# Altium PCB Layout.PcbDoc (part 2 of 2) (continued)
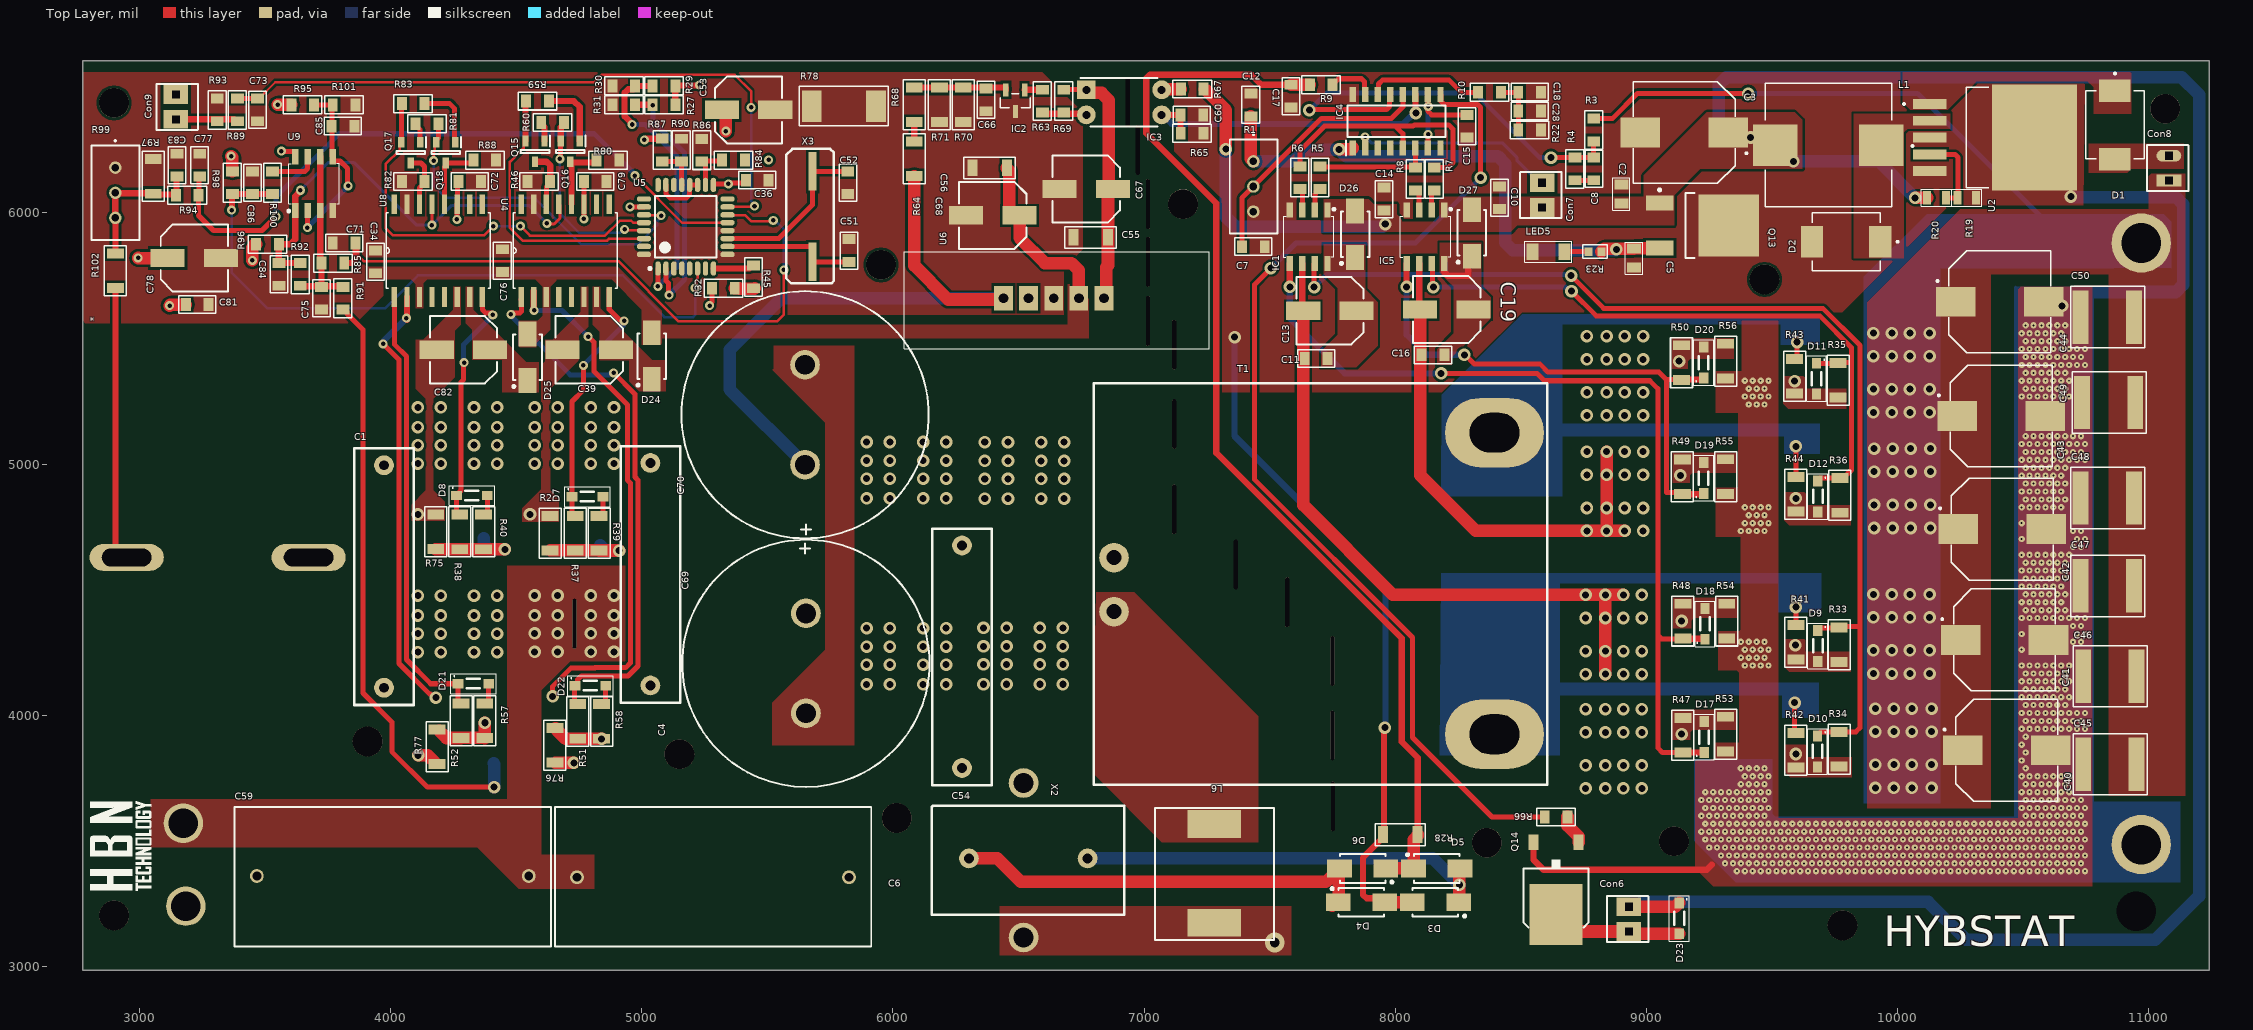
[diagram p0: Top Layer view]
## Nets (pads, with @x,y where several pads share a name; then routed paths per layer and width w, separated by ;. In a path a pad name is that pad's centre, name@x,y a point inside that pad or via, vN(x,y) a via of type N, cw(c..) or ccw(c..) an arc to the next point about the centre after c; other vN are vias at no path point) (continued)
NetC85_2: C85.2 R95.1 R101.2 U9.2 U9.5 | length 743.6
  Top Layer w20: v3(3668.82,5941.54) 3669.41,5942.13 3669.41,6009.41 U9.2@3670,6010 ; R95.1@3695.28,6430 R101.2@3769.72,6430 3767.36,6427.64 3767.36,6347.36 C85.2@3765,6345 3767.5,6342.5 3767.5,6226.04 U9.5@3770,6223.54 3772.8,6220.75 3772.8,6206.78 3798.48,6206.78 3828.18,6177.08 3828.18,6110.47 v3(3831.24,6107.41)
  Bottom Layer w20: v3(3668.82,5941.54) 3668.82,5943.26 3831.24,6105.68 v3(3831.24,6107.41)
NetCon6_1: Con6.1 D23.a Q14.4 | length 521.7
  Top Layer w50: Q14.4@8640,3206.57 8707.55,3139.02 Con6.1@8930,3139.02 8939.02,3130 D23.a@9130,3130
NetCon9_2: Con9.2 R89.1 R93.1 | length 248.2
  Top Layer w25: Con9.2@3145,6372.56 3376.26,6372.56 3384.09,6364.72 R89.1@3390,6364.72
NetD1_C: D1.C U2.1
NetD2_C: D2.C L1.1 U2.2
NetD3_k: D3.k D5.a X2.1 | length 1657.2
  Top Layer w50: D3.k@8254.83,3255 8255.02,3255.19 v2(8255,3325) ; v2@8254.83,3325.17 8254.83,3385 D5.a@8257.52,3387.69
  Bottom Layer w50: X2.1@6775,3430 8150,3430 v2(8255,3325)
NetD4_k: D4.k D6.a X2.2 | length 1704.7
  Top Layer w50: X2.2@6302.56,3430 6415.67,3430 6508.99,3336.68 7723.98,3336.68 7753.27,3365.97 7753.27,3379.57 7763.7,3390 D6.a@7777.48,3390 ; D4.k@7748.27,3242.26 7748.27,3244.57 7756.2,3252.5 D4.k@7769.98,3252.5 ; D4.k@7774.79,3255 7774.79,3385 D6.a@7777.48,3387.69
NetD7_a: D7.a R39.1 | length 85.4
  Top Layer w20: R39.1@4830,4793.54 4835.31,4793.54 4845,4803.23 D7.a@4845,4869.65
NetD8_a: D8.a R40.1 | length 85.4
  Top Layer w20: R40.1@4370,4798.54 4375.31,4798.54 4385,4808.23 D8.a@4385,4874.65
NetD9_a: D9.a Q2.1 R33.2 R41.1
  other v2: 9592.95,4279.25
NetD10_a: D10.a Q3.1 R34.2 R42.1
  other v2: 9594.71,3845.71
NetD11_a: D11.a Q4.1 R35.2 R43.1
  other v2: 9590,5330
NetD12_a: D12.a Q5.1 R36.2 R44.1
  other v2: 9594.51,4863.48
NetD13_2: D13.2 D15.1 T1.1
  other v2: 6365.47,4862.44 6457.99,4862.44 6589.88,4862.44 6681.42,4862.44 6365.47,4941.18 6457.99,4941.18 6589.88,4941.18 6681.42,4941.18 6365.47,5013.03 6457.99,5013.03 6589.88,5013.03 6681.42,5013.03 6365.47,5086.85 6457.99,5086.85 6589.88,5086.85 6681.42,5086.85
NetD17_a: D17.a Q8.1 R47.2 R53.1
  other v2: 9140,3925
NetD18_a: D18.a Q9.1 R48.2 R54.1
  other v2: 9140,4375
NetD19_a: D19.a Q10.1 R49.2 R55.1
  other v2: 9135,4955
NetD20_a: D20.a Q11.1 R50.2 R56.1
  other v2: 9130,5410
NetD21_a: D21.a R57.1 | length 88
  Top Layer w20: R57.1@4375.1,4047.19 4380.98,4047.19 4390.67,4056.88 D21.a@4390.67,4125.26
NetD22_a: D22.a R58.1 | length 88
  Top Layer w20: R58.1@4840,4043.9 4845.89,4043.9 4855.57,4053.58 D22.a@4855.57,4121.97
NetIC1_2: IC1.2 R5.1 | length 94.7
  Top Layer w20: IC1.2@7680,6011.77 7680,6074.72 7684.41,6079.13 7684.41,6085.04 7694.09,6094.72 R5.1@7700,6094.72
NetIC1_3: IC1.3 R6.1 | length 87.3
  Top Layer w20: R6.1@7620,6094.72 7620.31,6094.72 7630,6085.04 IC1.3@7630,6011.77
NetIC2_1: IC2.1 R63.1 | length 71.1
  Top Layer w25: IC2.1@6524,6490 6524.14,6490.14 6594.86,6490.14 R63.1@6595,6490.28
NetIC3_2: IC3.2 R63.2 R69.2 | length 179
  Top Layer w25: R63.2@6595,6399.72 6599.86,6394.86 6765.14,6394.86 IC3.2@6770,6390
NetIC3_4: IC3.4 R67.2 | length 77.5
  Top Layer w50: IC3.4@7070,6490 7072.39,6492.39 7145.71,6492.39 R67.2@7146.3,6492.98
NetIC4_5: IC4.5 R6.2 R7.2 | length 1037.4
  Top Layer w20: R6.2@7620,6185.28 7620,6246.46 7718.54,6345 8000,6345 ; IC4.5@8030,6258.23 8030,6315 8000,6345 ; R7.2@8155,6180 8210,6180 8230,6200 8230,6333.28 8212.53,6350.75 8076.05,6350.75 8070.3,6345 8000,6345
NetIC4_6: IC4.6 R5.2 R8.2 | length 460.4
  Top Layer w20: R5.2@7700,6185.28 7702.64,6182.64 8077.36,6182.64 R8.2@8080,6180 IC4.6@8080,6258.23
NetIC4_14: IC4.14 R10.2 | length 448.4
  Top Layer w20: IC4.14@7930,6491.77 IC4.14@7932.78,6491.77 ; IC4.14@7932.8,6491.79 7932.8,6512.8 7949.83,6529.83 8213.04,6529.83 8262.87,6480 R10.2@8329.72,6480
NetIC4_15: IC4.15 R9.2 | length 196.8
  Top Layer w20: R9.2@7750.28,6510 7750.28,6515.91 7759.96,6525.59 7765.87,6525.59 7774.23,6533.95 7865.49,6533.95 7877.2,6522.24 7877.2,6474.57 IC4.15@7880,6471.77
NetIC5_2: IC5.2 R7.1 | length 82
  Top Layer w20: IC5.2@8145,6011.77 8145,6079.76 8154.69,6089.45 R7.1@8155,6089.45
NetIC5_3: IC5.3 R8.1 | length 87
  Top Layer w20: R8.1@8080,6089.45 8085.31,6089.45 8095,6079.76 IC5.3@8095,6011.77
NetL6_1: L6.1 X2.4
  other v4: 7520,3095
NetL6_2: L6.2 T1.2
NetLED5_2: LED5.2 R23.1 | length 90.3
  Top Layer w20: LED5.2@8679.2,5845.36 R23.1@8769.45,5845.36
NetQ1_1: Q1.1 R2.2 R37.2 R39.2 | length 359
  Top Layer w50: R2.2@4635,4656.1 4635.18,4655.93 4735,4655.93 4829.82,4655.93 R39.2@4830,4655.75 4909.42,4655.75 v2(4910,4655.16)
  Bottom Layer w50: Q1.1@4835,4675.83 4855.67,4655.16 v2(4910,4655.16)
NetQ6_1: Q6.1 R38.2 R40.2 R75.1 | length 392.4
  Top Layer w50: R75.1@4180,4661.1 4180.18,4660.93 4369.82,4660.93 R40.2@4370,4660.75 4454.25,4660.75 v2(4455,4660)
  Bottom Layer w50: Q6.1@4370,4704.06 4370,4680.67 4390.67,4660 v2(4455,4660)
NetQ7_1: Q7.1 R51.2 R58.2 R76.2 | length 205.2
  Top Layer w50: R76.2@4655,3948.9 4658.15,3948.9 4663.46,3943.58 4663.46,3939.29 4696.65,3906.1 R51.2@4745,3906.1 v2(4840,3906.1)
NetQ12_1: Q12.1 R52.2 R57.2 R77.1 | length 255.5
  Top Layer w50: R77.1@4193.46,3938.58 4222.65,3909.4 R52.2@4280.1,3909.4 4281.58,3910.88 4373.62,3910.88 R57.2@4375,3909.5 ; v2(4375,3970) R57.2@4375,3909.5 ; R57.2@4375.1,3909.4 R57.2@4375,3909.5
NetQ14_1: Q14.1 R66.2 | length 119.3
  Top Layer w50: R66.2@8685.55,3595 8685.55,3560.95 8729.76,3516.74 Q14.1@8729.76,3493.98
NetQ15_1: Q15.1 R60.2 | length 79.1
  Top Layer w25: R60.2@4599.72,6360 4599.72,6354.09 4612.8,6341.02 Q15.1@4612.8,6286.34
NetQ15_2: Q15.2 R59.2 U5.30 | length 1090
  Top Layer w10: Q15.2@4537.2,6286.34 4529.9,6279.03 4529.9,6257.98 4475,6203.09 4475,5940 4525.73,5889.27 4861.72,5889.27 4868.89,5896.44 5007.34,5896.44 U5.30@5008.66,5897.76
  Top Layer w25: Q15.2@4537.2,6286.34 4537.5,6286.63 4537.5,6442.78 R59.2@4539.72,6445
NetQ15_3: Q15.3 R46.1 U4.14 | length 226.7
  Top Layer w20: U4.14@4620,6035 4620,6103.82 4635.28,6119.09 R46.1@4635.28,6125
  Top Layer w25: Q15.3@4575,6203.66 4620.63,6203.66 4635.28,6189.02 R46.1@4635.28,6125
NetQ16_1: Q16.1 R59.1 | length 267.8
  Top Layer w25: R59.1@4630.28,6445 4730,6445 4752.8,6422.2 Q16.1@4752.8,6286.34
NetQ16_2: Q16.2 R60.1 U5.29 | length 744
  Top Layer w10: v3(4931.91,5934.19) 4934.61,5931.48 5006.43,5931.48 U5.29@5008.66,5929.25
  Top Layer w20: v3(4674.2,6214.54) 4675.7,6216.04 4675.7,6284.84 Q16.2@4677.2,6286.34
  Top Layer w25: Q16.2@4677.2,6286.34 4677.2,6341.02 4690.28,6354.09 R60.1@4690.28,6360
  Bottom Layer w10: v3(4674.2,6214.54) 4674.2,5996.8 4751,5920 4913.05,5920 4927.23,5934.19 v3(4931.91,5934.19)
NetQ16_3: Q16.3 R80.1 U4.12 | length 276.1
  Top Layer w25: Q16.3@4715,6194.8 4720,6189.8 U4.12@4720,6035 ; Q16.3@4715,6203.66 Q16.3@4718.18,6200.48 ; Q16.3@4715.3,6200.48 4812.54,6200.48 4819.72,6207.67 R80.1@4819.72,6210
NetQ17_1: Q17.1 R81.1 | length 81.1
  Top Layer w20: R81.1@4099.72,6355 4099.72,6349.09 4117.8,6331.02 Q17.1@4117.8,6281.34
NetQ17_2: Q17.2 R83.2 U5.28 | length 1622.2
  Top Layer w10: Q17.2@4042.2,6281.34 4036.74,6275.87 4036.74,6251.14 3980,6194.4 3980,5940 4010,5910 4371.38,5910 v3(4408.87,5947.49) ; v3(4516.71,5947.48) 4554.91,5909.27 4853.44,5909.27 4912.9,5968.73 4958.04,5968.73 4965.12,5961.65 5007.76,5961.65 U5.28@5008.66,5960.75
  Top Layer w20: Q17.2@4042.2,6281.34 4043.46,6282.6 4043.46,6433.74 R83.2@4044.72,6435
  Bottom Layer w10: v3(4408.87,5947.49) v3(4516.71,5947.48)
NetQ17_3: Q17.3 R82.1 U8.14 | length 219.2
  Top Layer w20: Q17.3@4080,6198.66 4121.34,6198.66 4135.28,6184.72 R82.1@4135.28,6125 4135.28,6119.09 4115,6098.82 U8.14@4115,6035
NetQ18_1: Q18.1 R83.1 | length 262.8
  Top Layer w20: R83.1@4135.28,6435 4235,6435 4255,6415 4255,6284.13 Q18.1@4257.8,6281.34
NetQ18_2: Q18.2 R81.2 U5.27 | length 1387
  Top Layer w10: v3(4171.47,6207.86) 4171.47,6240.86 4175.3,6244.69 4175.3,6283.29 Q18.2@4182.2,6290.2 ; U5.27@5008.66,5992.24 5010.15,5990.75 5075.9,5990.75 v3(5077.39,5989.26)
  Top Layer w20: Q18.2@4182.2,6290.2 4190.28,6298.27 R81.2@4190.28,6355
  Bottom Layer w10: v3(4171.47,6207.86) 4171.47,6108.53 4220,6060 4573.39,6060 4758.39,5875 4985,5875 5061.46,5951.46 5061.46,5966.29 5077.39,5982.23 v3(5077.39,5989.26)
NetQ18_3: Q18.3 R88.1 U8.12 | length 281.1
  Top Layer w20: U8.12@4215,6035 4215.17,6035.17 4215.17,6184.97 4220,6189.8 Q18.3@4220,6198.66 4320.04,6198.66 4329.72,6208.35 R88.1@4329.72,6210
NetR19_2: R19.2 R20.1 U2.4 | length 324.7
  Top Layer w20: U2.4@10127.68,6233.07 10228.28,6233.07 10240,6221.36 10240,6062.4 R19.2@10237.6,6060 R20.1@10192.4,6060
NetR27_1: R27.1 R31.2 U5.2 | length 1009.3
  Top Layer w20: U5.2@5096.26,5778.66 5096.58,5778.35 5096.58,5729.36 5105.57,5720.37 5105.57,5676.04 v3(5108.63,5672.98)
  Top Layer w25: R31.2@4973.76,6430.55 R27.1@5043.21,6430.55
  Bottom Layer w20: v3@5045,6425 5045,6363.61 5169.83,6238.78 5169.83,5734.17 v3(5108.63,5672.98)
  other v3: 5044.48,6427.57
NetR29_1: R29.1 R30.2 U5.1 | length 1117.1
  Top Layer w20: v3(5064.04,5707.31) 5064.45,5707.72 5064.45,5778.35 U5.1@5064.76,5778.66
  Top Layer w25: v3(4961.94,6351.83) 4961.94,6354.8 4931.58,6385.16 4931.58,6477.81 4946.22,6492.46 4966.58,6492.46 4973.76,6499.64 R30.2@4973.76,6505.55 R29.1@5043.21,6505.55
  Bottom Layer w20: v3(4961.94,6351.83) 5014.36,6351.83 5139.83,6226.36 5139.83,5783.1 v3(5064.04,5707.31)
NetR32_2: R32.2 R45.1 | length 81.1
  Top Layer w50: R32.2@5370.28,5700 5370.87,5699.41 5388.3,5699.41 5389.57,5698.15 5448.42,5698.15 R45.1@5450,5699.72
NetR45_2: R45.2 U5.8 | length 164.6
  Top Layer w25: U5.8@5285.24,5778.66 5427.48,5778.66 5439.09,5790.28 R45.2@5445,5790.28
NetR64_1: R64.1 R68.2 | length 77.2
  Top Layer w25: R64.1@6085,6283.9 R68.2@6085,6361.1
NetR84_2: R84.2 R86.2 U5.18 | length 192.7
  Top Layer w20: U5.18@5253.56,6111.51 5253.56,6194.49 5243.33,6204.72 5235,6204.72 5237.64,6207.36 5317.09,6207.36 R84.2@5319.72,6210
NetR87_2: R87.2 R90.2 U5.21 | length 170.3
  Top Layer w20: R87.2@5081.45,6205.04 5081.67,6204.81 5157.5,6204.81 R90.2@5157.73,6204.59 5158.94,6203.38 5158.94,6111.65 U5.21@5159.25,6111.34
NetR100_2: R100.2 U9.7 | length 191.8
  Top Layer w20: R100.2@3530,6165.28 3530.28,6165 3658.28,6165 3670,6176.72 U9.7@3670,6223.54
NetU5_19: U5.19 U5.20 U5.23 | length 212
  Top Layer w20: U5.23@5096.26,6111.34 5095.94,6111.02 5095.94,6076.72 5112.66,6060 5178.28,6060 5190.43,6072.15 5190.43,6111.02 U5.20@5190.75,6111.34 U5.19@5222.24,6111.34
SD: C84.2 R92.2 R96.1 U4.13 U8.13 U9.1 | length 1838.2
  Top Layer w12: v3(4164.56,5951.07) 4164.78,5951.29 4164.78,6034.78 U8.13@4165,6035 ; v3(4622.13,5958.2) 4624.87,5955.46 4651.1,5955.46 4674.5,5978.86 4674.5,6030.5 U4.13@4670,6035
  Top Layer w25: R92.2@3640,5800.28 C84.2@3555,5800.28 3555.14,5800.41 3555.14,5874.86 R96.1@3555.28,5875 3600.36,5875 3620,5894.64 U9.1@3620,6010 3620.3,6010.3 3620.3,6066.23 3641.2,6087.13 v3(3641.2,6090.1)
  Bottom Layer w12: v3(3641.2,6090.1) 3751.09,6200 3855,6200 4103.96,5951.04 v3@4168.48,5951.04 ; v3(4164.56,5951.07) 4243.49,6030 4550.33,6030 v3(4622.13,5958.2)
T1: C11.1 C13.2 IC1.6 Q2.2 Q3.2 Q8.3 Q9.3 R41.2 R42.2 T1.3 | length 2895.8
  Top Layer w20: v2(9590,4050) 9590,3933.9 R42.2@9595,3928.9 ; R41.2@9595,4358.9 v2(9595,4430)
  Top Layer w25: IC1.6@7630,5798.23 7630,5613.7 C13.2@7633.7,5610
  Top Layer w50: C13.2@7633.7,5610 7633.7,4836.3 7990.47,4479.53 v2(8757.44,4479.53) v2(8836.18,4479.53) ; v2(8836.18,4163.58) v2(8836.18,4255.12) v2(8836.18,4387.01) v2(8836.18,4479.53) ; v2(8908.03,4479.53) v2(8836.18,4479.53)
  other v2: 8757.44,3708.58 8836.18,3708.58 8908.03,3708.58 8981.85,3708.58 8757.44,3800.12 8836.18,3800.12 8908.03,3800.12 8981.85,3800.12 8757.44,3932.01 8836.18,3932.01 8908.03,3932.01 8981.85,3932.01 8757.44,4024.53 8836.18,4024.53 8908.03,4024.53 8981.85,4024.53 8757.44,4163.58 8908.03,4163.58 8981.85,4163.58 8757.44,4255.12 8908.03,4255.12 8981.85,4255.12 8757.44,4387.01 8908.03,4387.01 8981.85,4387.01 8981.85,4479.53
T2: C16.1 C19.2 IC5.6 Q4.2 Q5.2 Q10.3 Q11.3 R43.2 R44.2 T1.4 | length 2257.5
  Top Layer w20: R43.2@9590,5418.9 9590.31,5418.9 9600,5428.58 v2(9600,5485) ; R44.2@9595,4948.9 v2(9595,5070)
  Top Layer w25: IC5.6@8095,5798.23 8095,5618.7 C19.2@8098.7,5615
  Top Layer w50: C19.2@8098.7,5615 8098.7,4956.3 8321.42,4733.58 v2(8762.44,4733.58) v2(8841.18,4733.58) ; v2(8841.18,5049.53) v2(8841.18,4957.01) v2(8841.18,4825.12) v2(8841.18,4733.58) ; v2(8913.03,4733.58) v2(8841.18,4733.58)
  other v2: 8986.85,4733.58 8762.44,4825.12 8913.03,4825.12 8986.85,4825.12 8762.44,4957.01 8913.03,4957.01 8986.85,4957.01 8762.44,5049.53 8913.03,5049.53 8986.85,5049.53 8762.44,5193.58 8841.18,5193.58 8913.03,5193.58 8986.85,5193.58 8762.44,5285.12 8841.18,5285.12 8913.03,5285.12 8986.85,5285.12 8762.44,5417.01 8841.18,5417.01 8913.03,5417.01 8986.85,5417.01 8762.44,5509.53 8841.18,5509.53 8913.03,5509.53 8986.85,5509.53
VFB: C60.1 IC3.3 IC4.11 R65.1 | length 1267.1
  Top Layer w25: IC3.3@7070,6390 C60.1@7144.72,6390 7145.19,6389.53 7145.19,6317.74 R65.1@7145.66,6317.27 ; IC4.11@8080,6471.77 8080.3,6471.48 8080.3,6398.97 v2(8081.65,6397.61)
  Bottom Layer w25: IC3.3@7070,6390 7073.8,6390 7109.55,6354.25 8031.53,6354.25 8074.89,6397.61 v2(8081.65,6397.61)
VFBAC: *.1 C6.2 C59.2 pad.12@3185,3240 R102.1 | length 1095.1
  Top Layer w25: R102.1@2905,5701.1 2905,4665.78 2942.56,4628.23 *.1@2949.25,4628.23
VS12: *.2 C82.2 Q6.2 Q12.3 R75.2 U8.6
  other v2: 4108.58,4251.3 4200.12,4251.3 4332.01,4251.3 4424.53,4251.3 4108.58,4325.12 4200.12,4325.12 4332.01,4325.12 4424.53,4325.12 4108.58,4396.97 4200.12,4396.97 4332.01,4396.97 4424.53,4396.97 4108.58,4475.71 4200.12,4475.71 4332.01,4475.71 4424.53,4475.71 4108.3,4800
VS22: C6.1 C39.2 C59.1 pad.5@4732.1,4364.5 pad.12@3175,3570 Q1.2 Q7.3 R2.1 U4.6
  other v2: 4573.58,4252.24 4665.12,4252.24 4797.01,4252.24 4889.53,4252.24 4573.58,4326.06 4665.12,4326.06 4797.01,4326.06 4889.53,4326.06 4573.58,4397.91 4665.12,4397.91 4797.01,4397.91 4889.53,4397.91 4573.58,4476.65 4665.12,4476.65 4797.01,4476.65 4889.53,4476.65 4555,4800
ıfbdc: C17.2 D5.k D6.k R9.1 R28.1 | length 4378.8
  Top Layer w25: C17.2@7585,6510.28 7466.82,6510.28 7427.19,6549.9 7023.04,6549.9 7008.4,6535.26 7008.4,6317.24 7287.54,6038.1 7287.54,5044.38 8025.34,4306.58 8025.34,3894.42 8088.9,3830.87 R28.1@8088.9,3525
  Top Layer w50: C17.2@7585,6510.28 7585.14,6510.14 7659.59,6510.14 R9.1@7659.72,6510 ; D6.k@7965.02,3387.5 7967.52,3390 8067.48,3390 D5.k@8069.98,3387.5 ; D5.k@8073.72,3391.24 8073.72,3504.37 8088.9,3519.54 R28.1@8088.9,3525
pads on no net: IC4.3 IC4.4 IC4.8 U4.4 U4.5 U4.9 U4.10 U4.16 U5.3 U5.4 U5.5 U5.7 U5.16 U5.22 U5.24 U5.25 U5.31 U6.2 U8.4 U8.5 U8.9 U8.10 U8.16

## Polygon pours and split planes (outlines as drawn)
15V2 on Top Layer "15V2_L01_P104" (solid, pour order 104): 4605,5590 4585,5570 4510,5570 4510,5470 4515,5465 4580,5465 4580,5480 4635,5535 4635,5705 4660,5730 4660,5735 4880,5735 5000,5615 5000,5475 5075,5475 5080,5480 5080,5500 6780,5500 6780,5715 6695,5715 6695,5555 5080,5555 5080,5610 4905,5785 3910,5785 3910,5780 3910,5735 4080,5735 4100,5715 4100,5620 4130,5620 4130,5720 4145,5735 4575,5735 4605,5705
NetL6_2 on Top Layer "NETL6_2_L01_P091" (solid, pour order 91): 6810,4490 6960,4490 7455,3995 7455,3495 7070,3495 6805,3760 6805,4315
GND2 on Top Layer "GND2_L01_P114" (solid, pour order 114): 6680,5820 6720,5820 6755,5855 6755,6400 6595,6560 2775,6560 2775,5570 2785,5560 3860,5560 3970,5670 3970,5800 4920,5800 5125,5595 6680,5595
24V_1 on Top Layer "24V_1_L01_P113" (solid, pour order 113): 10760,6275 11140,6275 11140,6175 10930,6175 10915,6160 10760,6160
GND on Top Layer "GND_L01_P112" (solid, pour order 112): 10740,6030 10205,6030 9780,5605 8790.21,5605 8505,5605 8185,5285 7310,5285 7310,6056.3 7120,6246.3 7120,6560 10745,6560
NetD2_C on Top Layer "NETD2_C_L01_P111" (solid, pour order 111): 10210,6395 9825,6395 9825,5820 10025,5820 10025,6320 10040,6335 10210,6335
12v on Top Layer "12V_L01_P110" (solid, pour order 110): 8485.42,5950 9110,5950 9110,6070 9215,6175 9620,6175 9620,6370 9590,6400 9240,6400 8990,6150 8990,6065 8930,6065 8480,6065 8190,6065 8175,6050 8175,5980 8160,5965 8025,5965 8025,5975 8005,5995 8005,6035 7915,6035 7895,6055 7715,6055 7715,5925 8460.42,5925
NetC16_2 on Top Layer "NETC16_2_L01_P109" (solid, pour order 109): 8180,5395 8225,5395 8225,5425 8380,5580 8380,5663.53 8341.82,5701.72 8341.82,5881.72 8176.82,5881.72 8176.82,5761.72 8231.82,5706.72 8231.82,5521.72 8166.82,5456.72 8166.82,5395
NetC11_2 on Top Layer "NETC11_2_L01_P108" (solid, pour order 108): 7715,5875 7880,5875 7880,5695 7930,5645 7930,5470 7845,5385 7705,5385 7705,5450 7770,5515 7770,5700 7715,5755
VS22 on Top Layer "VS22_L01_P103" (solid, pour order 103): 4600,4900 4525,4825 4525,4770 4675,4770 4670,4775 4670,4860 4635,4895 4635,5300 4750,5415 4750,5509.98 4786.13,5546.11 4786.13,5705 4756.13,5705 4756.13,5606.11 4645.02,5495 4615,5495 4615,5410 4600,5395
NetC39_1 on Top Layer "NETC39_1_L01_P102" (solid, pour order 102): 4805.5,5705 4805.5,5554 4832.64,5526.86 4832.64,5414 4950,5414 4950,5290 5095.5,5290 5095.5,5414 5041,5414 4835.5,5619.5 4835.5,5705
NetC82_1 on Top Layer "NETC82_1_L01_P101" (solid, pour order 101): 4300,5705 4300,5560 4325,5535 4325,5415 4445,5415 4445,5285 4590,5285 4590,5405 4540,5405 4440,5505 4330,5615 4330,5705
VS12 on Top Layer "VS12_L01_P100" (solid, pour order 100): 4140,4895 4080,4835 4080,4775 4215,4775 4215,4850 4170,4895 4170,5260 4255,5345 4255,5530 4280,5555 4280,5705 4250,5705 4250,5615 4130,5495 4100,5495 4100,5300 4140,5260
NetD1_C on Top Layer "NETD1_C_L01_P098" (solid, pour order 98): 10930,6395 10930,6565 10925,6560 10020,6560 10020,6440 10050,6410 10200,6410 10315,6525 10755,6525 10780,6500 10780,6395
VS22 on Top Layer "VS22_L01_P095" (solid, pour order 95): 4465,3665 3045,3665 3045,3475 4345,3475 4510,3310 4810,3310 4810,3445 4600,3445 4600,4100 4715,4215 4935,4215 4935,4595 4465,4595 4465,4145
NetL6_1 on Top Layer "NETL6_1_L01_P092" (solid, pour order 92): 7585,3045 6425,3045 6425,3240 7585,3240
GND2 on Top Layer "GND2_L01_P087" (solid, pour order 87): 5525,5470 5845,5470 5845,3880 5520,3880 5520,4050 5730,4260 5730,5165 5520,5375 5525,5380
GND on Top Layer "GND_L01_P081" (solid, pour order 81): 9380,5610 9375,5615 9525,5615 9525,5610 9525,3590 10480,3590 10480,5695 10490,5705 10775,5705 10775,3320 9265.69,3320 9195,3390.69 9195,3635 9195,3820 9200,3825 9270,3825 9270,3885 9275,3890 9370,3890 9370,4170 9360,4180 9285,4180 9285,4335 9370,4335 9375,4340 9375,4710 9275,4710 9275,4905 9360,4905 9365,4910 9365,5205 9275,5205 9275,5370 9380,5370 9380,5565
NetD10_a on Top Layer "NETD10_A_L01_P025" (solid, pour order 25): 9817.69,3832.65 9637.69,3832.65 9637.69,3877.65 9632.69,3882.65 9552.69,3882.65 9552.69,3772.65 9572.69,3752.65 9817.69,3752.65
NetD9_a on Top Layer "NETD9_A_L01_P024" (solid, pour order 24): 9812.69,4252.65 9632.69,4252.65 9632.69,4297.65 9627.69,4302.65 9547.69,4302.65 9547.69,4192.65 9567.69,4172.65 9812.69,4172.65
NetD17_a on Top Layer "NETD17_A_L01_P023" (solid, pour order 23): 9173.47,3902.07 9173.47,3932.07 9183.47,3942.07 9355.97,3942.07 9355.97,4022.07 9100.97,4022.07 9100.97,3902.07
NetD18_a on Top Layer "NETD18_A_L01_P022" (solid, pour order 22): 9178.47,4347.07 9178.47,4377.07 9188.47,4387.07 9360.97,4387.07 9360.97,4467.07 9105.97,4467.07 9105.97,4347.07
NetD12_a on Top Layer "NETD12_A_L01_P021" (solid, pour order 21): 9813.96,4836.91 9633.96,4836.91 9633.96,4881.91 9628.96,4886.91 9548.96,4886.91 9548.96,4776.91 9568.96,4756.91 9813.96,4756.91
NetD11_a on Top Layer "NETD11_A_L01_P020" (solid, pour order 20): 9810,5300 9630,5300 9630,5345 9625,5350 9545,5350 9545,5240 9565,5220 9810,5220
NetD19_a on Top Layer "NETD19_A_L01_P016" (solid, pour order 16): 9172.78,4924.61 9172.78,4954.61 9182.78,4964.61 9355.28,4964.61 9355.28,5044.61 9105,5044.61 9105,4924.61
NetD20_a on Top Layer "NETD20_A_L01_P015" (solid, pour order 15): 9165,5380 9165,5410 9175,5420 9347.5,5420 9347.5,5500 9100,5500 9100,5380
24V on Top Layer "24V_L01_P000" (solid, pour order 0): 11000,6015 11000,6145 11010,6155 11145,6155 11145,5900 11145,3680 10840,3680 10840,5755 10370,5755 10370,3630 9880,3630 9880,5645 10000,5765 10250,6015
NetL6_2 on Bottom Layer "NETL6_2_L02_P116" (solid, pour order 116): 6800,4490 7015,4490 7015,4250 7010,4245 6805,4245
5V2 on Bottom Layer "5V2_L02_P115" (solid, pour order 115): 6890,6455 6782.5,6562.5 2776.43,6562.5 2776.43,5572.5 2786.43,5562.5 3861.43,5562.5 3971.43,5672.5 3971.43,5822.5 4872.5,5822.5 5097.5,5597.5 6890,5597.5
VS22 on Bottom Layer "VS22_L02_P105" (solid, pour order 105): 4520,4205 4520,4825 4695,4825 4695,4600 4955,4600 4960,4595 4955,4590 4955,4205 4515,4205
NetL6_1 on Bottom Layer "NETL6_1_L02_P097" (solid, pour order 97): 6440,3230 7479.68,3230 7570,3139.68 7570,3040 6460,3040 6440,3060
VFBAC on Bottom Layer "VFBAC_L02_P096" (solid, pour order 96): 3375,3355 3370,3360 3045,3360 3045,3115 5910.25,3115 5910.25,3409.75 5885,3435 5765,3435 5630,3300 3750,3300 3750,4109.15 3079.15,4780 2785,4780 2785,4550 3375,3960
VS12 on Bottom Layer "VS12_L02_P094" (solid, pour order 94): 4495,4595 4490,4600 4260,4600 4260,4830 3465,4830 3465,4545 3555,4455 3985,4455 4045,4395 4045,4205 4480,4205 4490,4215
no net on Bottom Layer "NONET_L02_P093" (solid, pour order 93): 4960,4595 4700,4595 4695,4600
IFBCOM on Bottom Layer "IFBCOM_L02_P090" (solid, pour order 90): 4215,3760 4215,3865 4550,3865 4550,4105 4720,4105 4720,3865 4930,3865 4930,4135 4965,4170 5075,4170 5075,3760
IFBCOM on Bottom Layer "IFBCOM_L02_P089" (solid, pour order 89): 3925,3975 4140,3760 4250,3760 4255,4040 4135,4160 3925,4160
GND2 on Bottom Layer "GND2_L02_P088" (solid, pour order 88): 4324.93,3626.15 5336.15,3626.15 5520,3810 5520,4000 5600,4080 5700,4080 5765,4015 5765,3675 5575,3485 4325.82,3485
NetC54_1 on Bottom Layer "NETC54_1_L02_P086" (solid, pour order 86): 6185,3850 6645,3850 6645,3625 6190,3625 6185,3630
GND2 on Bottom Layer "GND2_L02_P085" (solid, pour order 85): 6595,5580 6595,5720 6685,5720 6685,5295 6510,5295 6510,5475 6500,5485 6255,5485 6255,5305 6220,5270 6085,5270 6085,5465 6055,5495 5775,5495 5775,5310 5740,5275 5605,5275 5525,5355 5525,5485 5620,5580
NetC54_2 on Bottom Layer "NETC54_2_L02_P084" (solid, pour order 84): 6015,5470 6015,5240 6115,5140 6270,5140 6270,4740 6315,4695 6315,4550 6095,4550 6095,4715 6060,4750 5825,4750 5825,5470
400V on Bottom Layer "400V_L02_P083" (solid, pour order 83): 6360,4405 6360,4725 6465,4725 6465,4405 6755,4405 6755,3985 6753.09,3983.09 5790.3,3983.09 5790.3,4109.7 5550,4350 5550,4680 5295,4935 3940,4935 3940,5150 4005,5215 4005,5330 5515,5330 5740,5105 5740,4490 5825,4405 5875,4405 5880,4410 5880,4725 6015,4725 6015,4405
NetD13_2 on Bottom Layer "NETD13_2_L02_P082" (solid, pour order 82): 6959.09,4530 6550,4530 6550,4714.04 6514.04,4750 6300,4750 6300,5475 6475,5475 6475,5160 6490,5145 6760,5145 6760,4900 6959.09,4705
T1 on Bottom Layer "T1_L02_P008" (solid, pour order 8): 8180,4595 9735,4595 9735,4350 9385,4350 9385,4485 9100,4485 9070,4460 9070,4155 9700,4155 9700,3900 9685,3915 9385,3915 9385,4025 9070,4025 9070,3590 8415,3590 8180,3825
T2 on Bottom Layer "T2_L02_P007" (solid, pour order 7): 8570,5655 9720,5655 9720,5400 9705,5385 9400,5385 9400,5530 9065,5530 9065,5180 9720,5180 9720,4910 9405,4910 9405,5060 9065,5060 9065,4665 8175.36,4665 8181.63,5266.63
NetD10_a on Bottom Layer "NETD10_A_L02_P031" (solid, pour order 31): 9539.12,3865.57 9539.12,3720.57 9684.12,3720.57 9684.12,3850.57 9669.12,3865.57
NetD9_a on Bottom Layer "NETD9_A_L02_P030" (solid, pour order 30): 9534.12,4320.57 9534.12,4175.57 9679.12,4175.57 9679.12,4305.57 9664.12,4320.57
NetD12_a on Bottom Layer "NETD12_A_L02_P029" (solid, pour order 29): 9528.75,4889.16 9528.75,4744.16 9673.75,4744.16 9673.75,4874.16 9658.75,4889.16
NetD11_a on Bottom Layer "NETD11_A_L02_P028" (solid, pour order 28): 9535,5360 9535,5215 9680,5215 9680,5345 9665,5360
NetD17_a on Bottom Layer "NETD17_A_L02_P027" (solid, pour order 27): 9103.95,3894.27 9178.95,3894.27 9178.95,3924.27 9183.95,3929.27 9358.95,3929.27 9358.95,4019.27 9103.95,4019.27
NetD18_a on Bottom Layer "NETD18_A_L02_P026" (solid, pour order 26): 9103.95,4344.27 9178.95,4344.27 9178.95,4374.27 9183.95,4379.27 9358.95,4379.27 9358.95,4469.27 9103.95,4469.27
NetD19_a on Bottom Layer "NETD19_A_L02_P019" (solid, pour order 19): 9099.15,4923.2 9174.15,4923.2 9174.15,4953.2 9179.15,4958.2 9354.15,4958.2 9354.15,5048.2 9099.15,5048.2
NetD20_a on Bottom Layer "NETD20_A_L02_P014" (solid, pour order 14): 9090,5380 9165,5380 9165,5410 9170,5415 9345,5415 9345,5505 9090,5505
24V on Bottom Layer "24V_L02_P013" (solid, pour order 13): 11095,5757.3 11095,6017.3 10106.15,6017.3 9971.15,5882.3 9846.15,5757.3 9846.15,3632.3 10371.15,3632.3 10371.15,5757.3 10841.15,5757.3
GND on Bottom Layer "GND_L02_P012" (solid, pour order 12): 9201.12,5354.84 9500,5354.84 9500,5204.84 9201.12,5204.84
GND on Bottom Layer "GND_L02_P011" (solid, pour order 11): 9200.02,4861.74 9505,4861.74 9505,4711.74 9200.02,4711.74
GND on Bottom Layer "GND_L02_P010" (solid, pour order 10): 9200,4325 9500,4325 9500,4175 9200,4175

## Other copper
Bottom Layer:
  region net 24V: 10860,5780 11090,5780 11090,5965 11060,5995 10115,5995 9865,5745 9865,3650 10170,3650 10170,5780
  region net GND: 11125,3560 11125,3335 9355,3335 9195,3495 9195,3825 9486.51,3825 9486.51,3560 10475,3560
  region net GND: 11125,3335 11125,3655 10780,3655 10780,5705 10475,5705 10470,5710 10465,5705 10465,3595 9513.25,3595 9500,3608.24 9500,3825 9190,3825 9190,3500 9355,3335
  region net T2: 8185.43,5275.43 8506.11,5596.11 9690,5596.11 9690,5475 9534.29,5475 9534.29,5556.11 8664.29,5556.11 8664.29,5161.11 9690,5161.11 9690,5040 9549.29,5040 9549.29,5111.11 8664.29,5111.11 8664.29,4871.11 8182.56,4871.11
  region net T1: 9525,4525 9525,4410 9695,4410 9695,4565 8182.13,4565 8176.99,3840 8655,3840 8655,4080 9540,4080 9540,3990 9685,3990 9685,4130 8655,4130 8655,4525

## Silkscreen, mask and mechanical layers (free items; w line width, h text height)
Top Overlay:
  drawing of 13 lines, arcs and shapes, not listed
  text "HYBSTAT" at 9945,3080 h120
Mechanical 1:
  lines w10: 2775,2985 2775,6605 11230,6605 11240,6605 11240,2985 11225,2985 2775,2985